# Altium PCB StarKit PCB.PcbDoc (part 1 of 2) (continued)
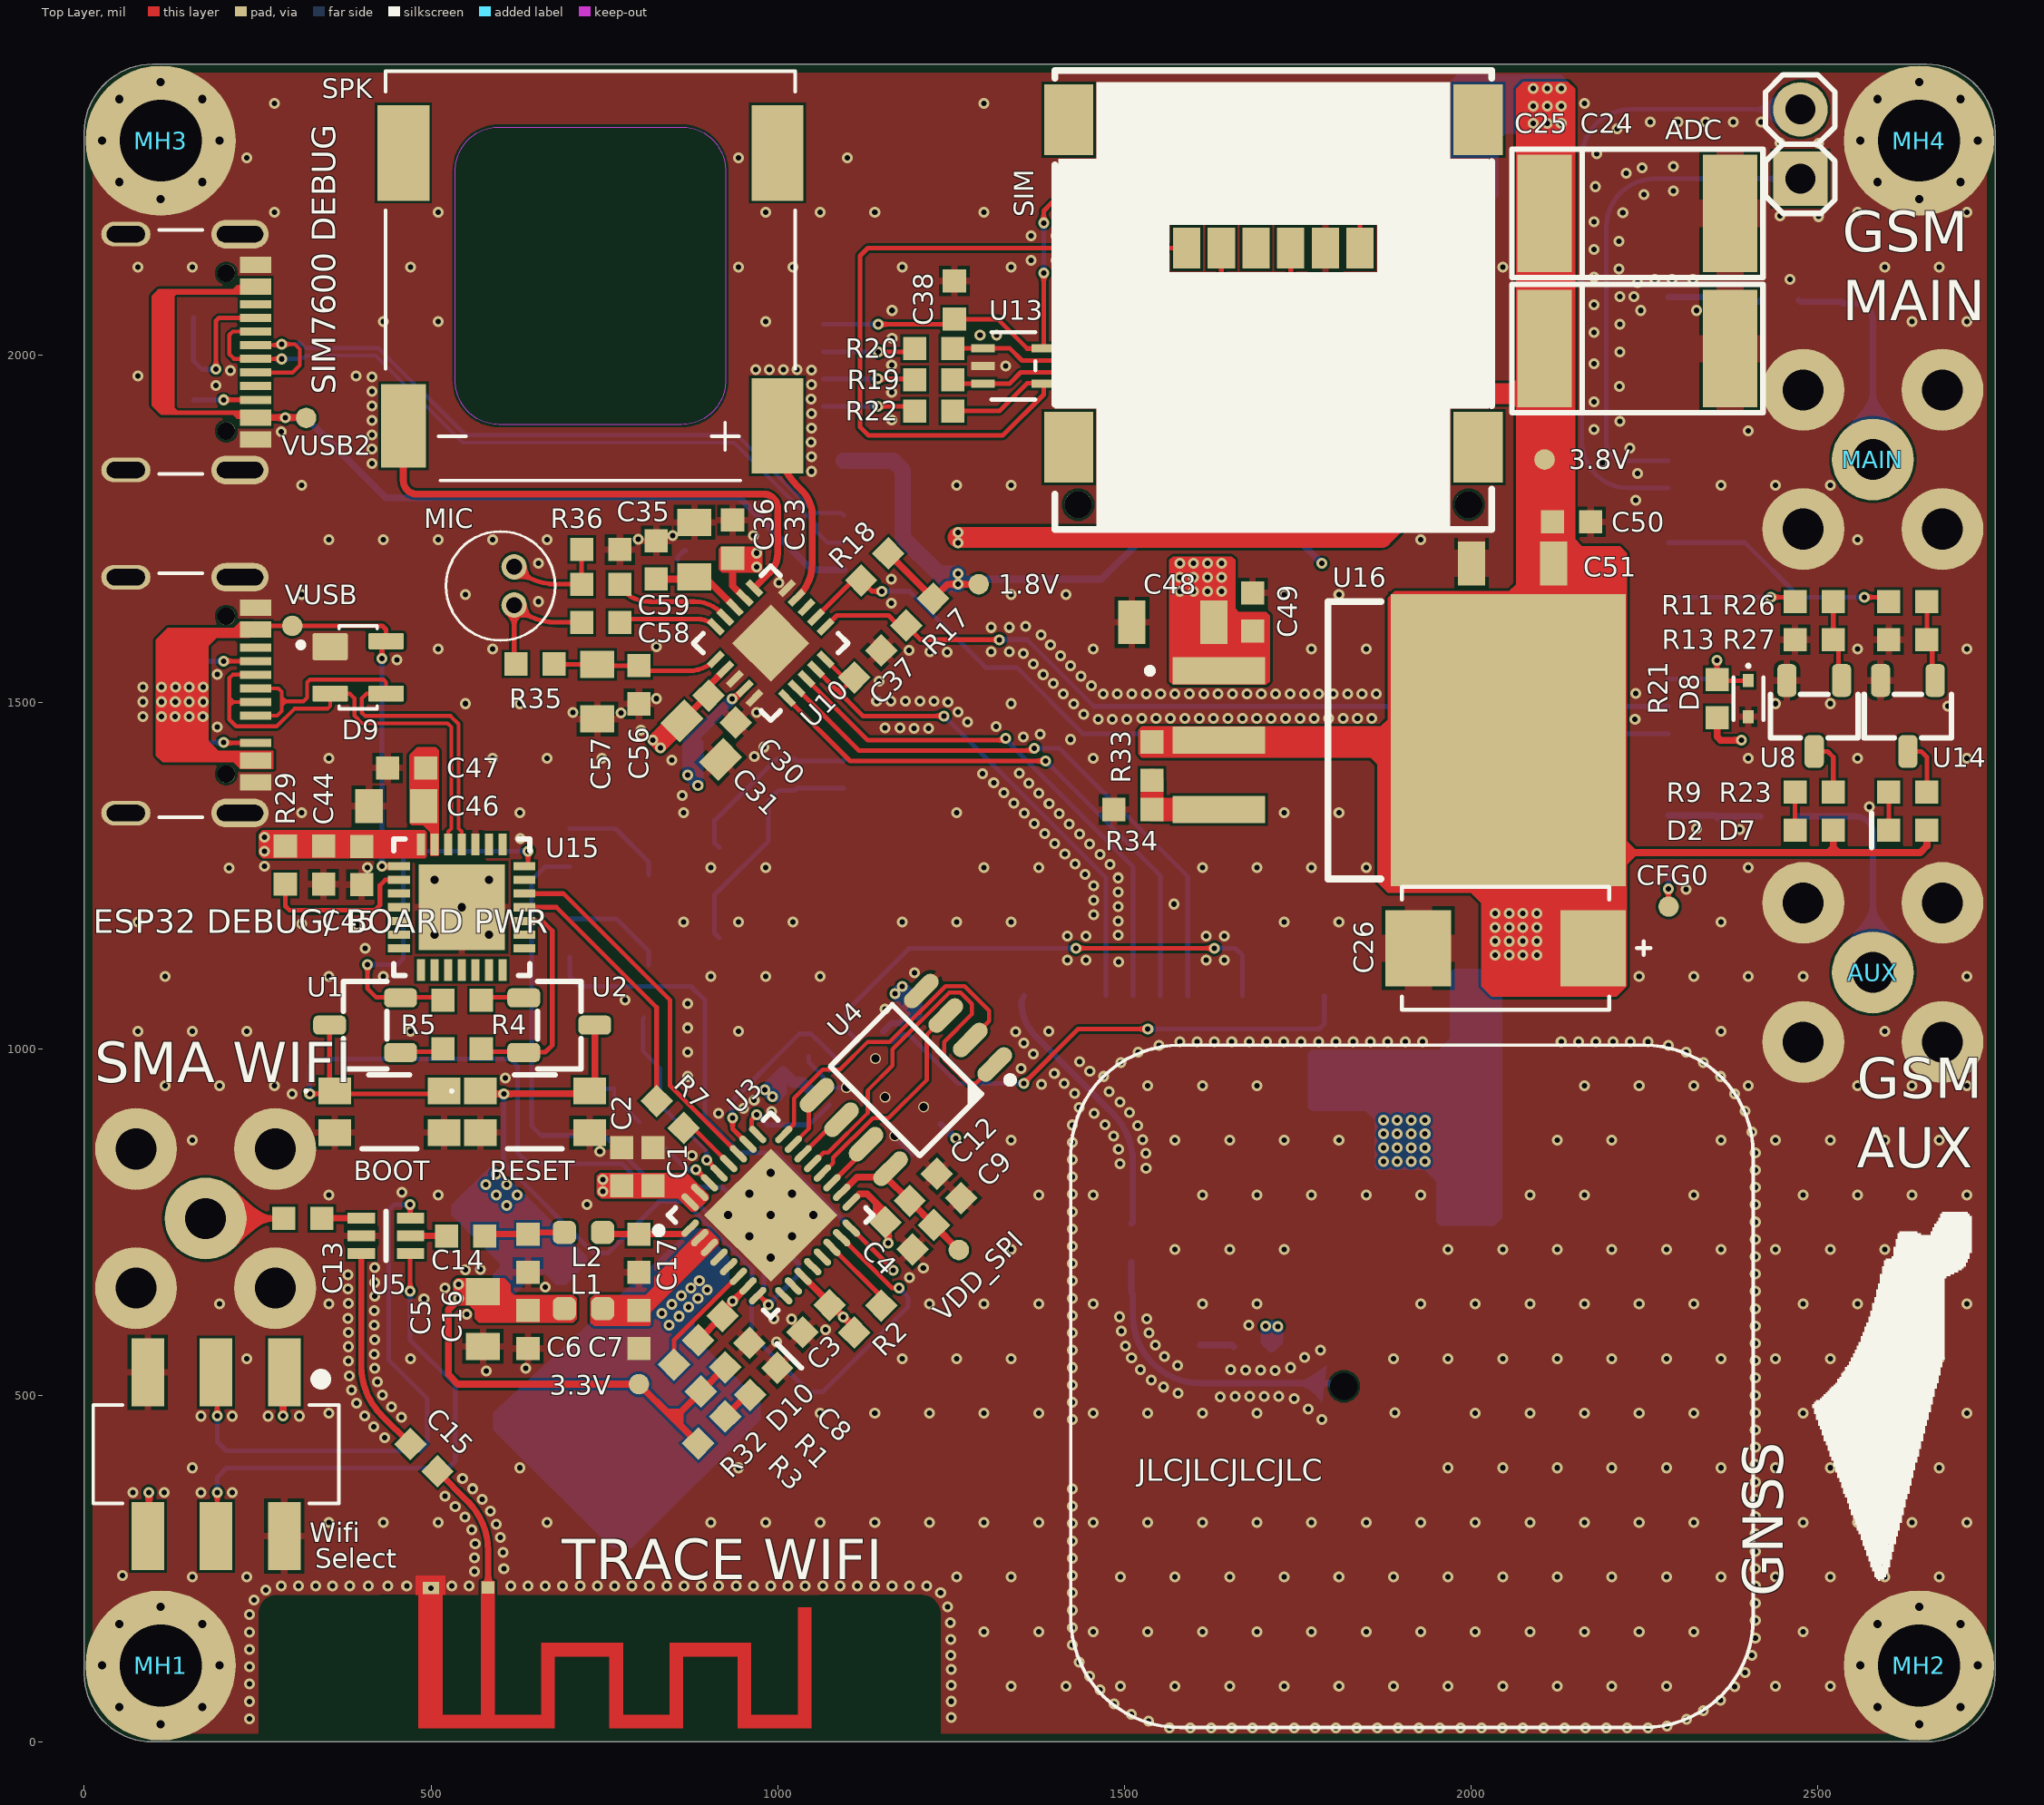
[diagram p0: Top Layer view]
## Footprints (in the part's own frame and the unit in brackets; to place one, negate y for a bottom-side part, rotate by r counter-clockwise, add the part's x,y. Pads: shape width x height; smd on the part's side, far side on the other; paste and mask are expansions set on the pad)
"4-SMD, NO LEAD ECS" [mm]
  rect 0.75x0.85 smd: 1(-0.525,0.675) 2(-0.525,-0.675) 3(0.525,-0.675) 4(0.525,0.675)
  silkscreen extent -1.07,1.35 -0.97,1.45, body extent -0.8,-1 0.8,1, height 0.5
8-SOIC [mm]
  rrect100% 1.55x0.6 smd: 1(-2.7,1.905) 2(-2.7,0.635) 3(-2.7,-0.635) 4(-2.7,-1.905) 5(2.7,-1.905) 6(2.7,-0.635) 7(2.7,0.635) 8(2.7,1.905)
  round 0.7 on Mech1: 28(-2.395,1.8)
  silkscreen extent -2.82,-2.3 1.61,2.82, body extent -3,-2.45 3,2.45, height 1.75
"20-QFN (4X4)" [mm] "4x4 mm, pitch 0.5 mm, power pad"
  rect 2x2 smd: 0(0,0)
  rect 0.7x0.25 smd: 1(-1.85,1) 2(-1.85,0.5) 3(-1.85,0) 4(-1.85,-0.5) 5(-1.85,-1) 11(1.85,-1) 12(1.85,-0.5) 13(1.85,0) 14(1.85,0.5) 15(1.85,1)
  rect 0.25x0.7 smd: 6(-1,-1.85) 7(-0.5,-1.85) 8(0,-1.85) 9(0.5,-1.85) 10(1,-1.85) 16(1,1.85) 17(0.5,1.85) 18(0,1.85) 19(-0.5,1.85) 20(-1,1.85)
  round 0.4 on Top Overlay: ""(-2.4,1.8)
  round 0.5 on Mech1: ""(-1.5,1.5)
  silkscreen extent -2,-2 2,2, body extent -2.02,-2.01 2,2.01, height 0.78
"20-VQFN (3.5X4.5)" [mm]
  oval 0.24x0.6 smd paste+0: 1(-0.75,2.15) 10(-0.75,-2.15) 11(0.75,-2.15) 20(0.75,2.15)
  oval 0.6x0.24 smd paste+0: 2(-1.65,1.75) 3(-1.65,1.25) 4(-1.65,0.75) 5(-1.65,0.25) 6(-1.65,-0.25) 7(-1.65,-0.75) 8(-1.65,-1.25) 9(-1.65,-1.75) 12(1.65,-1.75) 13(1.65,-1.25) 14(1.65,-0.75) 15(1.65,-0.25) 16(1.65,0.25) 17(1.65,0.75) 18(1.65,1.25) 19(1.65,1.75)
  round 0.4 hole 0.3: 21(-0.75,-1.25) 21(-0.75,1.25) 21(0,0) 21(0.75,1.25) 21(0.75,-1.25)
  rect 2.05x3.05 smd paste-1.025: 21(0,0)
  silkscreen extent -1.97,2.1 -1.1,2.47, body extent -1.75,-2.25 1.75,2.25, height 1
"28-QFN (5X5)" [mm] "5x5 mm, pitch 0.5 mm, power pad"
  round 0.7 hole 0.3: 0(-1,1) 0(-1,-1) 0(0,0) 0(1,1) 0(1,-1)
  rect 3.15x3.15 smd: 0(0,0)
  rect 0.8x0.3 smd: 1(-2.3,1.5) 2(-2.3,1) 3(-2.3,0.5) 4(-2.3,0) 5(-2.3,-0.5) 6(-2.3,-1) 7(-2.3,-1.5) 15(2.3,-1.5) 16(2.3,-1) 17(2.3,-0.5) 18(2.3,0) 19(2.3,0.5) 20(2.3,1) 21(2.3,1.5)
  rect 0.3x0.8 smd: 8(-1.5,-2.3) 9(-1,-2.3) 10(-0.5,-2.3) 11(0,-2.3) 12(0.5,-2.3) 13(1,-2.3) 14(1.5,-2.3) 22(1.5,2.3) 23(1,2.3) 24(0.5,2.3) 25(0,2.3) 26(-0.5,2.3) 27(-1,2.3) 28(-1.5,2.3)
  round 0.5 on Top Overlay: ""(-3,2.5)
  round 0.5 on Mech1: ""(-2,2)
  silkscreen extent -2.5,-2.5 2.5,2.5, body extent -2.5,-2.5 2.5,2.5, height 1
AMPHENOL_12402012E212A#1 [mm]
  rect 0.6x1.14 smd: A1_B12(-3.2,4.75) A4_B9(-2.4,4.75) B1_A12(3.2,4.75) B4_A9(2.4,4.75)
  rect 0.3x1.14 smd: A5(-1.25,4.75) A6(-0.25,4.75) A7(0.25,4.75) B5(1.75,4.75) B6(0.75,4.75) B7(-0.75,4.75) B8(-1.75,4.75)
  rect 0.3x1.14 on Mech1: A8(1.25,4.75)
  oval 1.05x2.1 hole 0.6 slot 1.7 at 90 deg: SH1(-4.32,4.18) SH2(4.32,4.18)
  oval 0.9x1.8 hole 0.6 slot 1.4 at 90 deg: SH3(-4.32,0) SH4(4.32,0)
  round 0.65 hole 0.65 unplated: ""(-2.89,3.68) ""(2.89,3.68)
  silkscreen extent -4.47,1.22 4.47,2.81, body extent -4.47,-2.65 4.47,4.95, height 3.23
AMPHENOL_12402012E212A#2 [mm]
  rect 0.6x1.14 smd: A1_B12(-3.2,4.75) A4_B9(-2.4,4.75) B1_A12(3.2,4.75) B4_A9(2.4,4.75)
  rect 0.3x1.14 smd: A5(-1.25,4.75) A6(-0.25,4.75) A7(0.25,4.75) A8(1.25,4.75) B5(1.75,4.75) B6(0.75,4.75) B7(-0.75,4.75) B8(-1.75,4.75)
  oval 1.05x2.1 hole 0.6 slot 1.7 at 90 deg: SH1(-4.32,4.18) SH2(4.32,4.18)
  oval 0.9x1.8 hole 0.6 slot 1.4 at 90 deg: SH3(-4.32,0) SH4(4.32,0)
  round 0.65 hole 0.65 unplated: ""(-2.89,3.68) ""(2.89,3.68)
  silkscreen extent -4.47,1.22 4.47,2.81, body extent -4.47,-2.65 4.47,4.95, height 3.23
ANT_2.4_AN043 [mm] "Frequency 2.4 GHz / Typical Efficiency 80%(EB) 94%(SA) / Dimensions (mm) 26 x 8"
  rect 0.46x0.46 smd: 1(0.554,-1.134)
  rect 0.6x0.46 smd mask+0.05: 2(2.65,-1.119)
  Top Layer region: 0.813,3.531 0.313,3.531 0.313,-1.369 0.813,-1.369
  Top Layer region: 3.11,4.03 -1.89,4.03 -1.89,3.53 3.11,3.53
  Top Layer region: 2.21,3.531 2.21,-1.369 3.11,-1.369 3.11,3.531
  Top Layer region: -3.889,3.531 -4.389,3.531 -4.389,0.891 -3.889,0.891
  Top Layer region: -3.889,3.53 -3.889,4.03 -6.589,4.03 -6.589,3.53
  Top Layer region: -1.89,0.891 -1.89,1.391 -3.89,1.391 -3.89,0.891
  Top Layer region: -1.39,3.531 -1.89,3.531 -1.89,0.891 -1.39,0.891
  Top Layer region: -10.789,3.531 -11.289,3.531 -11.289,-0.409 -10.789,-0.409
  Top Layer region: -6.09,3.531 -6.59,3.531 -6.59,0.891 -6.09,0.891
  Top Layer region: -6.589,0.891 -6.589,1.391 -8.589,1.391 -8.589,0.891
  Top Layer region: -8.589,3.531 -9.089,3.531 -9.089,0.891 -8.589,0.891
  Top Layer region: -8.589,3.531 -8.589,4.03 -11.289,4.03 -11.289,3.531
  Multi-Layer pour cut-out: -11.583,4.521 4.514,4.521 4.514,-0.869 -11.583,-0.869
"CAP POLY: 7.3X4.3X2.8" [mm]
  rect 2.4x2.8 smd: 1(-3.2,0) 2(3.2,0)
  silkscreen extent -5.3,-2.25 3.8,2.25, body extent -3.65,-2.15 3.65,2.15, height 3.1
"CAP: 0603" [mm]
  rect 0.85x0.85 smd: 1(-0.7,0) 2(0.7,0)
  body extent -0.8,-0.4 0.8,0.4, height 0.3
"CAP: 0805" [mm]
  rect 1x1.25 smd: 1(-1,0) 2(1,0)
  body extent -1,-0.62 1,0.63, height 0.78
"CAP: 1206" [mm]
  rect 1x1.6 smd: 1(-1.5,0) 2(1.5,0)
  body extent -1.6,-0.8 1.6,0.8, height 1
"CAP: TANTAL-D" [mm]
  rect 2x4.3 smd: 1(-3.4,0) 2(3.4,0)
  silkscreen extent -4.6,-2.35 4.6,2.35, body extent -3.7,-2.22 3.7,2.23, height 3.01
"CERAMIC PATCH ANTENNA 25X25" [mm]
  round 0 / inner round 0 / far side round 2 hole 1 unplated: 1(0,2.5)
  silkscreen extent -12.5,-12.5 12.5,12.5, body extent -12.5,-12.6 12.5,12.4, height 5
CMEJ041542LP [mm]
  round 0.93 hole 0.58: 1(0,0) 2(1.4,0)
  silkscreen extent -1.3,-1.5 2.7,2.5, body extent -1.33,-1.52 2.67,2.48, height 1.78
"CON: PLS-2" [mm]
  rect 2x2 hole 1.1: 1(-1.27,0)
  round 2 hole 1.1: 2(1.27,0)
  silkscreen extent -2.54,-1.27 2.54,1.27, body extent -2.57,-1.28 2.51,1.26, height 8.54
DPAK [mm]
  rect 2.5x1.2 smd: 1(-3.25,2.29) 3(-3.25,-2.29)
  rect 6.25x6.5 smd: 2(3.25,0)
  round 0.5 on Mech1: ""(-3.2,2.9)
  silkscreen extent -3.32,-3.3 -0.3,3.62, body extent -3.8,-3.32 6.3,3.42, height 2.37
"DPDT SWITCH" [mm]
  rect 1.2x2.5 smd: 1(-2.5,-3) 2(0,-3) 3(2.5,-3) 4(-2.5,3) 5(0,3) 6(2.5,3)
  silkscreen extent -4.5,-3 4.5,1.8, body extent -4.5,-3.75 4.5,3.75, height 5.51
"IND: 0603" [mm]
  rrect50% 0.85x0.85 smd: 1(-0.7,0) 2(0.7,0)
  body extent -0.8,-0.4 0.8,0.4, height 0.8
"LED: 0603B" [mm]
  rect 0.85x0.85 smd: 1(-0.7,0) 2(0.7,0)
  body extent -0.8,-0.4 0.8,0.4, height 0.6
"LED: 0603G" [mm]
  rect 0.85x0.85 smd: 1(-0.7,0) 2(0.7,0)
  silkscreen extent -1.33,-0.63 -1.33,0.63, body extent -0.8,-0.4 0.8,0.4, height 0.6
"M3 MOUNTING HOLE" [mm]
  round 5.5 hole 3: 1(0,0)
QFN-32 [mm] "QFN, 32-Leads, Body 5.00x5.00mm, Pitch 0.50mm, Thermal Pad 3.45x3.45mm, IPC Medium Density"
  oval 0.8x0.25 smd: 1(-2.425,1.75) 2(-2.425,1.25) 3(-2.425,0.75) 4(-2.425,0.25) 5(-2.425,-0.25) 6(-2.425,-0.75) 7(-2.425,-1.25) 8(-2.425,-1.75) 17(2.425,-1.75) 18(2.425,-1.25) 19(2.425,-0.75) 20(2.425,-0.25) 21(2.425,0.25) 22(2.425,0.75) 23(2.425,1.25) 24(2.425,1.75)
  oval 0.25x0.8 smd: 9(-1.75,-2.425) 10(-1.25,-2.425) 11(-0.75,-2.425) 12(-0.25,-2.425) 13(0.25,-2.425) 14(0.75,-2.425) 15(1.25,-2.425) 16(1.75,-2.425) 25(1.75,2.425) 26(1.25,2.425) 27(0.75,2.425) 28(0.25,2.425) 29(-0.25,2.425) 30(-0.75,2.425) 31(-1.25,2.425) 32(-1.75,2.425)
  rect 3.45x3.45 smd: 33(0,0)
  silkscreen extent -3.42,-2.65 2.65,2.65, body extent -2.5,-2.5 2.5,2.5, height 0.75
"RES: 0603" [mm]
  rect 0.85x0.85 smd: 1(-0.7,0) 2(0.7,0)
  body extent -0.8,-0.4 0.8,0.4, height 0.44
SC70-6 [mm] "SOT23, 5-Leads, Body 2,90x2,80mm, Pitch 0,95mm, IPC Medium Density"
  rect 1x0.4 smd: 1(-0.9,0.65) 2(-0.9,0) 3(-0.9,-0.65) 4(0.9,-0.65) 5(0.9,0) 6(0.9,0.65)
  round 0.5 on Top Overlay: ""(-0.9,1.3)
  round 0.5 on Mech1: ""(-0.7,0.6)
  silkscreen extent 0,-0.9 0,0.9, body extent -1.15,-1.05 1.15,1.05, height 1
SIM7600X [mm]
  oval 1.8x0.6 smd: 1(-15.1,9.5) 2(-15.1,8.5) 3(-15.1,7.5) 4(-15.1,6.5) 5(-15.1,5.5) 6(-15.1,4.5) 7(-15.1,3.5) 8(-15.1,2.5) 9(-15.1,1.5) 10(-15.1,0.5) 11(-15.1,-0.5) 12(-15.1,-1.5) 13(-15.1,-2.5) 14(-15.1,-3.5) 15(-15.1,-4.5) 16(-15.1,-5.5) 17(-15.1,-6.5) 18(-15.1,-7.5) 19(-15.1,-8.5) 20(-15.1,-9.5) 41(15.1,-9.5) 42(15.1,-8.5) 43(15.1,-7.5) 44(15.1,-6.5) 45(15.1,-5.5) 46(15.1,-4.5) 47(15.1,-3.5) 48(15.1,-2.5) 49(15.1,-1.5) 50(15.1,-0.5) 51(15.1,0.5) 52(15.1,1.5) 53(15.1,2.5) 54(15.1,3.5) 55(15.1,4.5) 56(15.1,5.5) 57(15.1,6.5) 58(15.1,7.5) 59(15.1,8.5) 60(15.1,9.5) 81(-15.1,-10.5) 82(15.1,-10.5) 85(15.1,10.5)
  oval 0.6x1.8 smd: 21(-9.5,-15.1) 22(-8.5,-15.1) 23(-7.5,-15.1) 24(-6.5,-15.1) 25(-5.5,-15.1) 26(-4.5,-15.1) 27(-3.5,-15.1) 28(-2.5,-15.1) 29(-1.5,-15.1) 30(-0.5,-15.1) 31(0.5,-15.1) 32(1.5,-15.1) 33(2.5,-15.1) 34(3.5,-15.1) 35(4.5,-15.1) 36(5.5,-15.1) 37(6.5,-15.1) 38(7.5,-15.1) 39(8.5,-15.1) 40(9.5,-15.1) 61(9.5,15.1) 62(8.5,15.1) 63(7.5,15.1) 64(6.5,15.1) 65(5.5,15.1) 66(4.5,15.1) 67(3.5,15.1) 68(2.5,15.1) 69(1.5,15.1) 70(0.5,15.1) 71(-0.5,15.1) 72(-1.5,15.1) 73(-2.5,15.1) 74(-3.5,15.1) 75(-4.5,15.1) 76(-5.5,15.1) 77(-6.5,15.1) 78(-7.5,15.1) 79(-8.5,15.1) 80(-9.5,15.1) 83(10.5,-15.1) 84(-10.5,-15.1) 86(-10.5,15.1) 87(10.5,15.1)
  Top Layer keep-out region: -11.4,8.3 -13.8,8.3 -13.8,10.7 -11.4,10.7
  silkscreen extent -15.72,-15 15,15, body extent -15,-15 15,15, height 3.02
SIM_NANO_SMN-327 [mm]
  rect 1.8x2.6 smd: 1(-7.5,6) 2(7.5,6) 3(7.5,-6) 4(-7.5,-6)
  rect 1x1.5 smd: C1(-3.175,-1.3) C2(-0.635,-1.3) C3(1.905,-1.3) C5(-1.905,-1.3) C6(0.635,-1.3) C7(3.175,-1.3)
  round 1 hole 1 unplated: ""(-7.15,8.101) ""(7.15,8.101)
  silkscreen extent -8,-7.8 8,9.02, body extent -8.6,-13.29 7.98,8.83, height 1.75
"SMA RIGHT DIGIKEY" [mm] "RF ANTENA"
  round 3 hole 1.5: 1(0,0) 2(-2.55,2.55) 2(-2.55,-2.55) 2(2.55,2.55) 2(2.55,-2.55)
  body extent -3.5,-3.5 3.5,11.6, height 10.1
SOD-523-2 [mm]
  rect 0.48x0.4 smd paste+0: 1(-0.66,0) 2(0.66,0)
  silkscreen extent -0.77,-0.94 0.77,0.55, body extent -0.8,-0.4 0.8,0.4, height 0.7
SOD-923-2 [mm]
  rect 0.36x0.25 smd paste+0: 1(-0.42,0) 2(0.42,0)
  silkscreen extent -0.97,0.3 -0.87,0.4, body extent -0.5,-0.3 0.5,0.3, height 0.4
SOT23_3 [mm]
  rrect50% 1.2x0.7 smd: 1(-1.3,1) 2(-1.3,-1) 3(1.3,0)
  silkscreen extent -0.8,-1.6 0.8,1.6, body extent -1.32,-1.5 1.32,1.5, height 1.08
SOT143-4 [mm]
  rrect15% 0.99x1.3 smd: 1(-0.76,-1.025)
  rrect15% 0.59x1.3 smd: 2(0.96,-1.025) 3(0.96,1.025) 4(-0.96,1.025)
  silkscreen extent -1.52,-2.2 1.52,0.7, body extent -1.18,-1.59 1.18,1.33, height 1.22
SOT323-5L [mil]
  rect 34.5x12 smd paste+0: 1(-43.75,25.59) 2(-43.75,0) 3(-43.75,-25.59) 4(43.75,-25.59) 5(43.75,25.59)
  silkscreen extent -32,-48 32,48, body extent -47,-44 47,44, height 43
SPKR_SMS-1508MS-HT-R [mm]
  rect 1.651x3.048 smd: 1(-6.85,-5.5)
  rect 1.9x3.5 smd: 2(6.85,-5.5) 3(6.85,4.5) 4(-6.85,4.5)
  Keep-Out Layer region: 3.434,5.448 3.517,5.441 3.6,5.43 3.683,5.415 3.764,5.395 3.844,5.372 3.923,5.344 4.001,5.312 4.076,5.276 4.15,5.236 4.221,5.192 4.29,5.144 4.357,5.093 4.421,5.039 4.481,4.981 4.539,4.921 4.593,4.857 4.644,4.79 4.692,4.721 4.736,4.65 4.776,4.576 4.812,4.501 4.844,4.423 4.872,4.344 4.895,4.264 4.915,4.183 4.93,4.1 4.941,4.017 4.948,3.934 4.95,3.85 4.95,-3.85 4.948,-3.934 4.941,-4.017 4.93,-4.1 4.915,-4.183 4.895,-4.264 4.872,-4.344 4.844,-4.423 4.812,-4.501 4.776,-4.576 4.736,-4.65 4.692,-4.721 4.644,-4.79 4.593,-4.857 4.539,-4.921 4.481,-4.981 4.421,-5.039 4.357,-5.093 4.29,-5.144 4.221,-5.192 4.15,-5.236 4.076,-5.276 4.001,-5.312 3.923,-5.344 3.844,-5.372 3.764,-5.395 3.683,-5.415 3.6,-5.43 3.517,-5.441 3.434,-5.448 3.35,-5.45 -3.35,-5.45 -3.434,-5.448 -3.517,-5.441 -3.6,-5.43 -3.683,-5.415 -3.764,-5.395 -3.844,-5.372 -3.923,-5.344 -4.001,-5.312 -4.076,-5.276 -4.15,-5.236 -4.221,-5.192 -4.29,-5.144 -4.357,-5.093 -4.421,-5.039 -4.481,-4.981 -4.539,-4.921 -4.593,-4.857 -4.644,-4.79 -4.692,-4.721 -4.736,-4.65 -4.776,-4.576 -4.812,-4.501 -4.844,-4.423 -4.872,-4.344 -4.895,-4.264 -4.915,-4.183 -4.93,-4.1 -4.941,-4.017 -4.948,-3.934 -4.95,-3.85 -4.95,3.85 -4.948,3.934 -4.941,4.017 -4.93,4.1 -4.915,4.183 -4.895,4.264 -4.872,4.344 -4.844,4.423 -4.812,4.501 -4.776,4.576 -4.736,4.65 -4.692,4.721 -4.644,4.79 -4.593,4.857 -4.539,4.921 -4.481,4.981 -4.421,5.039 -4.357,5.093 -4.29,5.144 -4.221,5.192 -4.15,5.236 -4.076,5.276 -4.001,5.312 -3.923,5.344 -3.844,5.372 -3.764,5.395 -3.683,5.415 -3.6,5.43 -3.517,5.441 -3.434,5.448 -3.35,5.45 3.35,5.45
  Keep-Out Layer region: 3.434,5.448 3.517,5.441 3.6,5.43 3.683,5.415 3.764,5.395 3.844,5.372 3.923,5.344 4.001,5.312 4.076,5.276 4.15,5.236 4.221,5.192 4.29,5.144 4.357,5.093 4.421,5.039 4.481,4.981 4.539,4.921 4.593,4.857 4.644,4.79 4.692,4.721 4.736,4.65 4.776,4.576 4.812,4.501 4.844,4.423 4.872,4.344 4.895,4.264 4.915,4.183 4.93,4.1 4.941,4.017 4.948,3.934 4.95,3.85 4.95,-3.85 4.948,-3.934 4.941,-4.017 4.93,-4.1 4.915,-4.183 4.895,-4.264 4.872,-4.344 4.844,-4.423 4.812,-4.501 4.776,-4.576 4.736,-4.65 4.692,-4.721 4.644,-4.79 4.593,-4.857 4.539,-4.921 4.481,-4.981 4.421,-5.039 4.357,-5.093 4.29,-5.144 4.221,-5.192 4.15,-5.236 4.076,-5.276 4.001,-5.312 3.923,-5.344 3.844,-5.372 3.764,-5.395 3.683,-5.415 3.6,-5.43 3.517,-5.441 3.434,-5.448 3.35,-5.45 -3.35,-5.45 -3.434,-5.448 -3.517,-5.441 -3.6,-5.43 -3.683,-5.415 -3.764,-5.395 -3.844,-5.372 -3.923,-5.344 -4.001,-5.312 -4.076,-5.276 -4.15,-5.236 -4.221,-5.192 -4.29,-5.144 -4.357,-5.093 -4.421,-5.039 -4.481,-4.981 -4.539,-4.921 -4.593,-4.857 -4.644,-4.79 -4.692,-4.721 -4.736,-4.65 -4.776,-4.576 -4.812,-4.501 -4.844,-4.423 -4.872,-4.344 -4.895,-4.264 -4.915,-4.183 -4.93,-4.1 -4.941,-4.017 -4.948,-3.934 -4.95,-3.85 -4.95,3.85 -4.948,3.934 -4.941,4.017 -4.93,4.1 -4.915,4.183 -4.895,4.264 -4.872,4.344 -4.844,4.423 -4.812,4.501 -4.776,4.576 -4.736,4.65 -4.692,4.721 -4.644,4.79 -4.593,4.857 -4.539,4.921 -4.481,4.981 -4.421,5.039 -4.357,5.093 -4.29,5.144 -4.221,5.192 -4.15,5.236 -4.076,5.276 -4.001,5.312 -3.923,5.344 -3.844,5.372 -3.764,5.395 -3.683,5.415 -3.6,5.43 -3.517,5.441 -3.434,5.448 -3.35,5.45 3.35,5.45
  silkscreen extent -7.5,-7.5 7.5,7.5, body extent -7.5,-7.5 7.5,7.5, height 4.05
"TACTILE SWITCH RKC2SJF170SMTRLFS" [mm]
  rect 1.2x0.975 smd: 1(-2,0.762) 2(2,0.762) 3(-2,-0.762) 4(2,-0.762)
  silkscreen extent -3.1,-1.35 1,1.35, body extent -2.14,-1.48 2.16,1.4, height 1.7
"TEST POINT"#1 [mm]
  round 0.75 smd: 1(0,0)
"TEST POINT"#2 [mm]
  round 0.75 smd: 1(1.143,0.479)
TO263-3 [mm]
  rect 1x3.4 smd: 1(-2.54,-5.3) 2(0,-5.3) 3(2.54,-5.3)
  rect 10.7x8.6 smd: 4(0,5.3)
  silkscreen extent -5.08,-7.92 5.08,0.63, body extent -5,-6.39 5,9.28, height 4.83

## Part data
1.8V 3.3V 3.8V CFG0 VDD_SPI VUSB VUSB2: library part "test point", "Test Point, Multipurpose, Red, TH", Manufacturer=Keystone, ComponentLink1Description="Datasheet Link", ComponentLink1URL=http://www.keyelco.com/userAssets/file/M60-2p60.pdf, CompType="Test Point Loop", LatestRevisionDate=2015-08-25, MountType=TH, PackageReference="Red Multipurpose Testpoint", PartNumber=5010, Publisher="Texas Instruments", RoHS=Y, SymbolVersion=2008-04-04, U/M=EA
ADC: library part "CONN 2_HF"
AUX MAIN "SMA WIFI": library part SMA_1, "Right Angled Female SMA Connector"
BOOT RESET: library part RKC2SJF170SMTRLFS, "Switch Tactile OFF-MOM SPST-NO Button J-Lead 12VDC 100000Cycles 500gf SMD T/R", Manufacturer="ITT C&K", Supplier Part Number 1=611-RKC2SJF170SMRLFS, Category="Tactile Switches", Manufacturer Part Number=RKC2SJF170SMTRLFS, Pricing 1="1=0.29, 10=0.285, 50=0.285, 100=0.246, 1000=0.177, 10000=0.152 (USD)", RoHS=No, Stock 1=16876, Supplier 1=Mouser
C1 C2 C3 C4 C6 C7 C8 C9 C10 C11 C12 C13 C14 C15 C16 C17 C20 C21 C22 C23 C27 C29 C30 C32 C33 C35 C37 C38 C39 C40 C41 C42 C43 C44 C45 C47 C49 C50 C53 C54 C56 C58 C59 C60 C61: library part "CAP 0603", "CAP SMD 0603"
C5 C28 C31 C34 C36 C46 C57: library part "CAP 0805", "CAP SMD 0805"
C18 C19 C24 C25: library part 16TQC100MYF, "Tantalum Polymer Capacitor, 100 uF, 16 V, ± 20%, D2, 50 mohm, 2917 [7343-19 Metric]", Manufacturer=Panasonic, Supplier Part Number 1=667-16TQC100MYF, Category="Polymer Capacitors", ComponentLink1Description=https://datasheet.ciiva.com/48674/aaa8000ce14-48674997.pdf?src-supplier=Avnet, ComponentLink1URL=https://datasheet.ciiva.com/48674/aaa8000ce14-48674997.pdf?src-supplier=Avnet, ComponentLink2Description=https://datasheet.ciiva.com/25784/1734368-25784893.pdf?src-supplier=Farnell, ComponentLink2URL=https://datasheet.ciiva.com/25784/1734368-25784893.pdf?src-supplier=Farnell, ComponentLink3Description=https://datasheet.ciiva.com/22745/1734368-22745198.pdf?src-supplier=Element14, ComponentLink3URL=https://datasheet.ciiva.com/22745/1734368-22745198.pdf?src-supplier=Element14, Manufacturer Part Number=16TQC100MYF, Pricing 1="1=2.61, 10=2.17, 50=1.93, 100=1.73, 1000=1.38, 10000=1.23 (USD)", RoHS=Yes, Stock 1=5797, Supplier 1=Mouser
C26: library part MPD471M0JD28009R, "4V 470uF ±20% SMD,4.3x7.3mm Solid Capacitors ROHS", ComponentLink1Description=LCSC, ComponentLink1URL=https://www.lcsc.com/product-detail/Solid-Capacitors_Ymin-MPD471M0JD28009R_C2997489.html
C48 C51 C52 C55: library part "CAP 1206", "CAP SMD 1206"
D1 D3 D8: "ESD5B5.0S Series 5.8 V 50 W 32 pF SMT ESD Protection Diode - SOD-523", Manufacturer="ON Semiconductor", Supplier Part Number 1=863-ESD5B50ST1G, Category="ESD and Circuit Protection ICs", ComponentLink1Description=https://datasheet.ciiva.com/339/esd5b5-0st1g-339772.pdf?src-supplier=Digi-Key, ComponentLink1URL=https://datasheet.ciiva.com/339/esd5b5-0st1g-339772.pdf?src-supplier=Digi-Key, ComponentLink2Description=https://datasheet.ciiva.com/339/esd5b5-0st1g-339772.pdf?src-supplier=Avnet, ComponentLink2URL=https://datasheet.ciiva.com/339/esd5b5-0st1g-339772.pdf?src-supplier=Avnet, ComponentLink3Description=https://datasheet.ciiva.com/4510/esd5b5-0st1g-241623-4510548.pdf?src-supplier=Mouser, ComponentLink3URL=https://datasheet.ciiva.com/4510/esd5b5-0st1g-241623-4510548.pdf?src-supplier=Mouser, ComponentLink4Description=https://datasheet.ciiva.com/22637/716649-22637178.pdf?src-supplier=Element14, ComponentLink4URL=https://datasheet.ciiva.com/22637/716649-22637178.pdf?src-supplier=Element14, ComponentLink5Description=https://datasheet.ciiva.com/339/esd5b5-0st1-d-339773.pdf?src-supplier=Digi-Key, ComponentLink5URL=https://datasheet.ciiva.com/339/esd5b5-0st1-d-339773.pdf?src-supplier=Digi-Key, ComponentLink6Description=https://datasheet.ciiva.com/339/esd5b5-0st1-d-339774.pdf?src-supplier=Digi-Key, ComponentLink6URL=https://datasheet.ciiva.com/339/esd5b5-0st1-d-339774.pdf?src-supplier=Digi-Key, Manufacturer Part Number=ESD5B5.0ST1G, Pricing 1="1=0.27, 10=0.185, 50=0.185, 100=0.086, 1000=0.063, 10000=0.038 (USD)", RoHS=Yes, Stock 1=309834, Supplier 1=Mouser
D2: library part "LED BLUE 0603", "LED BLUE CLEAR 0603 SMD"
D4 D5 D6: "ESD Suppressor Diode TVS Uni-Dir 5V 9.8Vc 2-Pin SOD-923 T/R", Manufacturer="ON Semiconductor", Supplier Part Number 1=863-ESD9L5.0ST5G, Category="ESD and Circuit Protection ICs", ComponentLink1Description=https://datasheet.ciiva.com/15143/getdatasheetpartid-185186-15143896.pdf?src-supplier=Verical, ComponentLink1URL=https://datasheet.ciiva.com/15143/getdatasheetpartid-185186-15143896.pdf?src-supplier=Verical, ComponentLink2Description=https://datasheet.ciiva.com/339/esd9l-d-339853.pdf?src-supplier=Digi-Key, ComponentLink2URL=https://datasheet.ciiva.com/339/esd9l-d-339853.pdf?src-supplier=Digi-Key, ComponentLink3Description=https://datasheet.ciiva.com/339/esd9l-d-339854.pdf?src-supplier=Digi-Key, ComponentLink3URL=https://datasheet.ciiva.com/339/esd9l-d-339854.pdf?src-supplier=Digi-Key, ComponentLink4Description=https://datasheet.ciiva.com/339/esd9l-d-339855.pdf?src-supplier=Digi-Key, ComponentLink4URL=https://datasheet.ciiva.com/339/esd9l-d-339855.pdf?src-supplier=Digi-Key, ComponentLink5Description=https://datasheet.ciiva.com/3304/esd9l-d-3304011.pdf?src-supplier=Avnet, ComponentLink5URL=https://datasheet.ciiva.com/3304/esd9l-d-3304011.pdf?src-supplier=Avnet, ComponentLink6Description=https://datasheet.ciiva.com/11195/esd9l-d-11195342.pdf?src-supplier=Avnet, ComponentLink6URL=https://datasheet.ciiva.com/11195/esd9l-d-11195342.pdf?src-supplier=Avnet, ComponentLink7Description=https://datasheet.ciiva.com/16437/esd9l-d-16437835.pdf?src-supplier=Future+Electronics, ComponentLink7URL=https://datasheet.ciiva.com/16437/esd9l-d-16437835.pdf?src-supplier=Future+Electronics, Manufacturer Part Number=ESD9L5.0ST5G, Pricing 1="1=0.34, 10=0.245, 50=0.245, 100=0.097, 1000=0.066, 10000=0.05 (USD)", RoHS=Yes, Supplier 1=Mouser
D7 D10: library part "LED GREEN 0603", "LED GREEN CLEAR 0603 SMD"
D9: "SP050xBA Series 8.5 V 30 pF Triple Uni-Directional TVS Avalanche Diode-SOT143-4", Breakdown Voltage=5.5V, Case/Package=SOT-143, Clamping Voltage=7.8V, Clamping Voltage-Max=8V, Leakage Current=100nA, Manufacturer=Littelfuse, Max Operating Temperature=85°C, Max Power Dissipation=225mW, Min Operating Temperature=-40°C, Power Line Protection=No, Supplier Part Number=4171229, Supplier Part Number 1=576-SP0503BAHTG, Voltage Rating (DC)=5V, Category="TVS Diodes", ComponentLink1Description=https://datasheet.ciiva.com/15143/getdatasheetpartid-116020-15143550.pdf?src-supplier=Verical, ComponentLink1URL=https://datasheet.ciiva.com/15143/getdatasheetpartid-116020-15143550.pdf?src-supplier=Verical, ComponentLink2Description=https://datasheet.ciiva.com/7650/526672-7650894.pdf?src-supplier=Element14, ComponentLink2URL=https://datasheet.ciiva.com/7650/526672-7650894.pdf?src-supplier=Element14, ComponentLink3Description=https://datasheet.ciiva.com/8062/littefuse-spa-sp050x-8062422.pdf?src-supplier=Element14, ComponentLink3URL=https://datasheet.ciiva.com/8062/littefuse-spa-sp050x-8062422.pdf?src-supplier=Element14, ComponentLink4Description=https://datasheet.ciiva.com/22697/1911798-22697942.pdf?src-supplier=Element14, ComponentLink4URL=https://datasheet.ciiva.com/22697/1911798-22697942.pdf?src-supplier=Element14, ComponentLink5Description=https://datasheet.ciiva.com/4509/sp05x-leadfree-4509162.pdf?src-supplier=Mouser, ComponentLink5URL=https://datasheet.ciiva.com/4509/sp05x-leadfree-4509162.pdf?src-supplier=Mouser, ComponentLink6Description=https://datasheet.ciiva.com/332/sp05xxba-332551.pdf?src-supplier=Digi-Key, ComponentLink6URL=https://datasheet.ciiva.com/332/sp05xxba-332551.pdf?src-supplier=Digi-Key, ComponentLink7Description=https://datasheet.ciiva.com/332/sp05xxba-332552.pdf?src-supplier=Digi-Key, ComponentLink7URL=https://datasheet.ciiva.com/332/sp05xxba-332552.pdf?src-supplier=Digi-Key, ComponentLink8Description=https://datasheet.ciiva.com/332/sp05xxba-332550.pdf?src-supplier=Digi-Key, ComponentLink8URL=https://datasheet.ciiva.com/332/sp05xxba-332550.pdf?src-supplier=Digi-Key, ComponentLink9Description=https://datasheet.ciiva.com/16449/sp05xxba-16449463.pdf?src-supplier=Future+Electronics, ComponentLink9URL=https://datasheet.ciiva.com/16449/sp05xxba-16449463.pdf?src-supplier=Future+Electronics, Depth=1.4mm, Diode Type=Avalanche, Direction=Unidirectional, ESD Protection=Yes, Height=1.05mm, Lead Free="Lead Free", Length=3.04mm, Manufacturer Part Number=SP0503BAHTG, Max Reverse Leakage Current=100nA, Mounting Technology="Surface Mount", Number of Channels=3, Number of Elements=3, Number of Unidirectional Channels=3, Operating Supply Voltage=5.5V, Packaging="Tape and Reel", Peak Pulse Power=225mW, Pins=4, Polarity=Bidirectional,Unidirectional, Power Dissipation=225mW, Pricing="1=0.85, 15=0.75, 75=0.69, 300=0.64, 1500=0.585 (USD)", Radiation Hardening=No, Reach SVHC Compliant=No, Reverse Standoff Voltage=5.5V, RoHS=Yes, RoHS Compliant=Yes, Series="SP05, SPA®", Stock=3237, Supplier="Future Electronics", Supplier 1=Mouser, Termination=SMD/SMT, Width=1.4mm, Working Voltage=5.5V